# KiCad board e-tkt.kicad_pcb
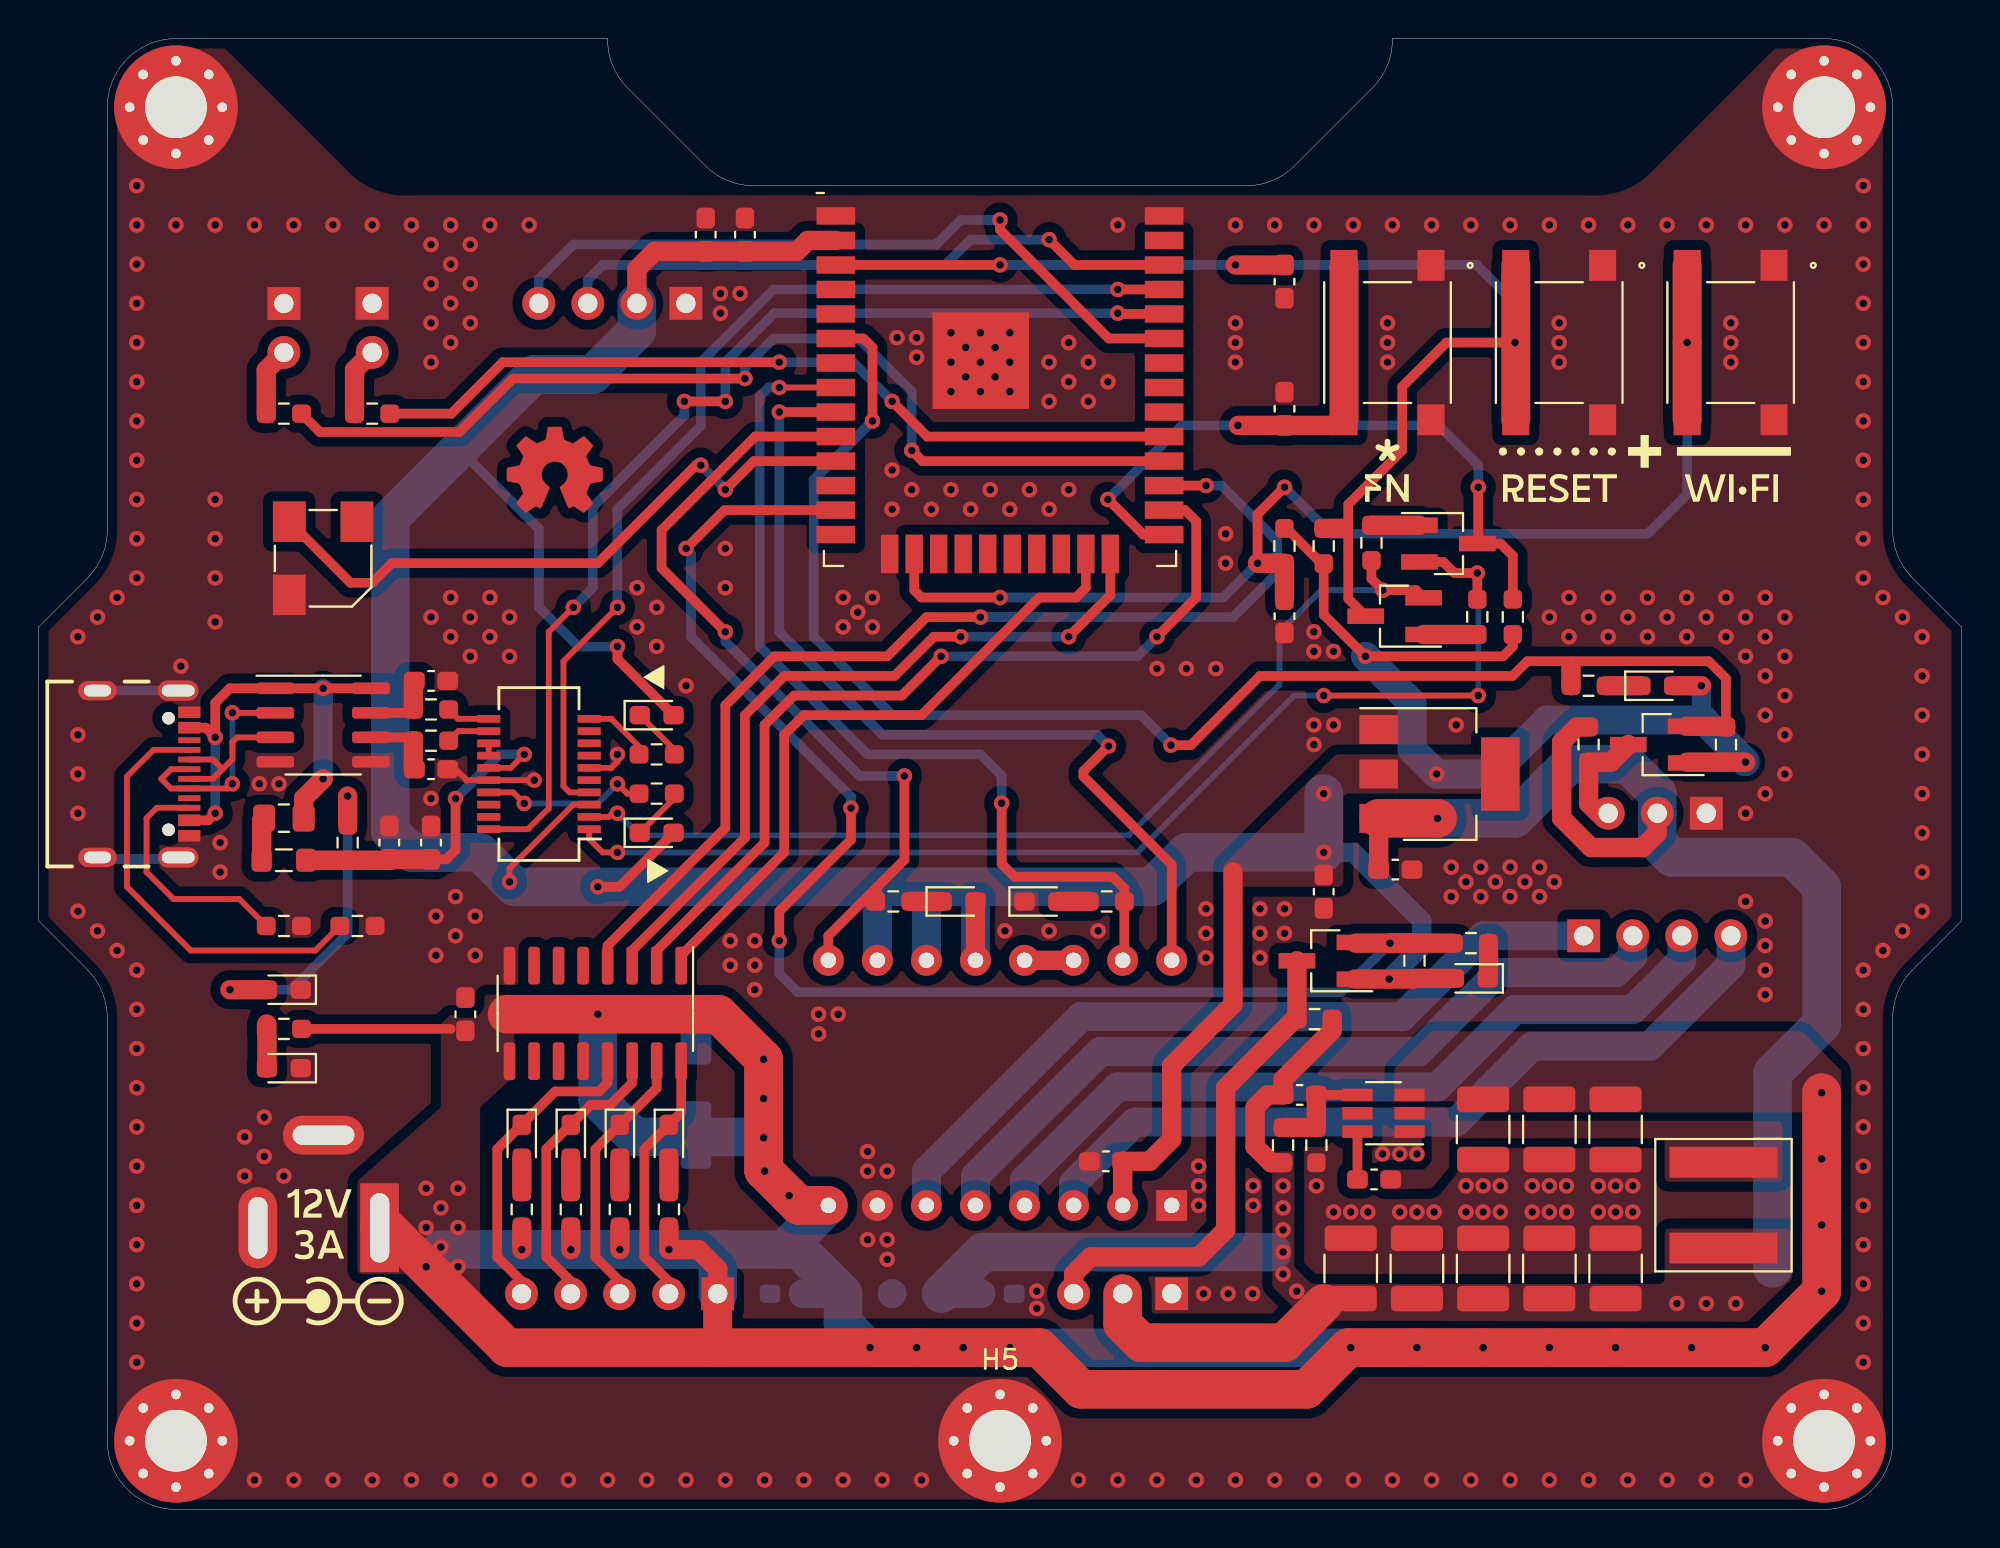
[diagram p0: board, top side]
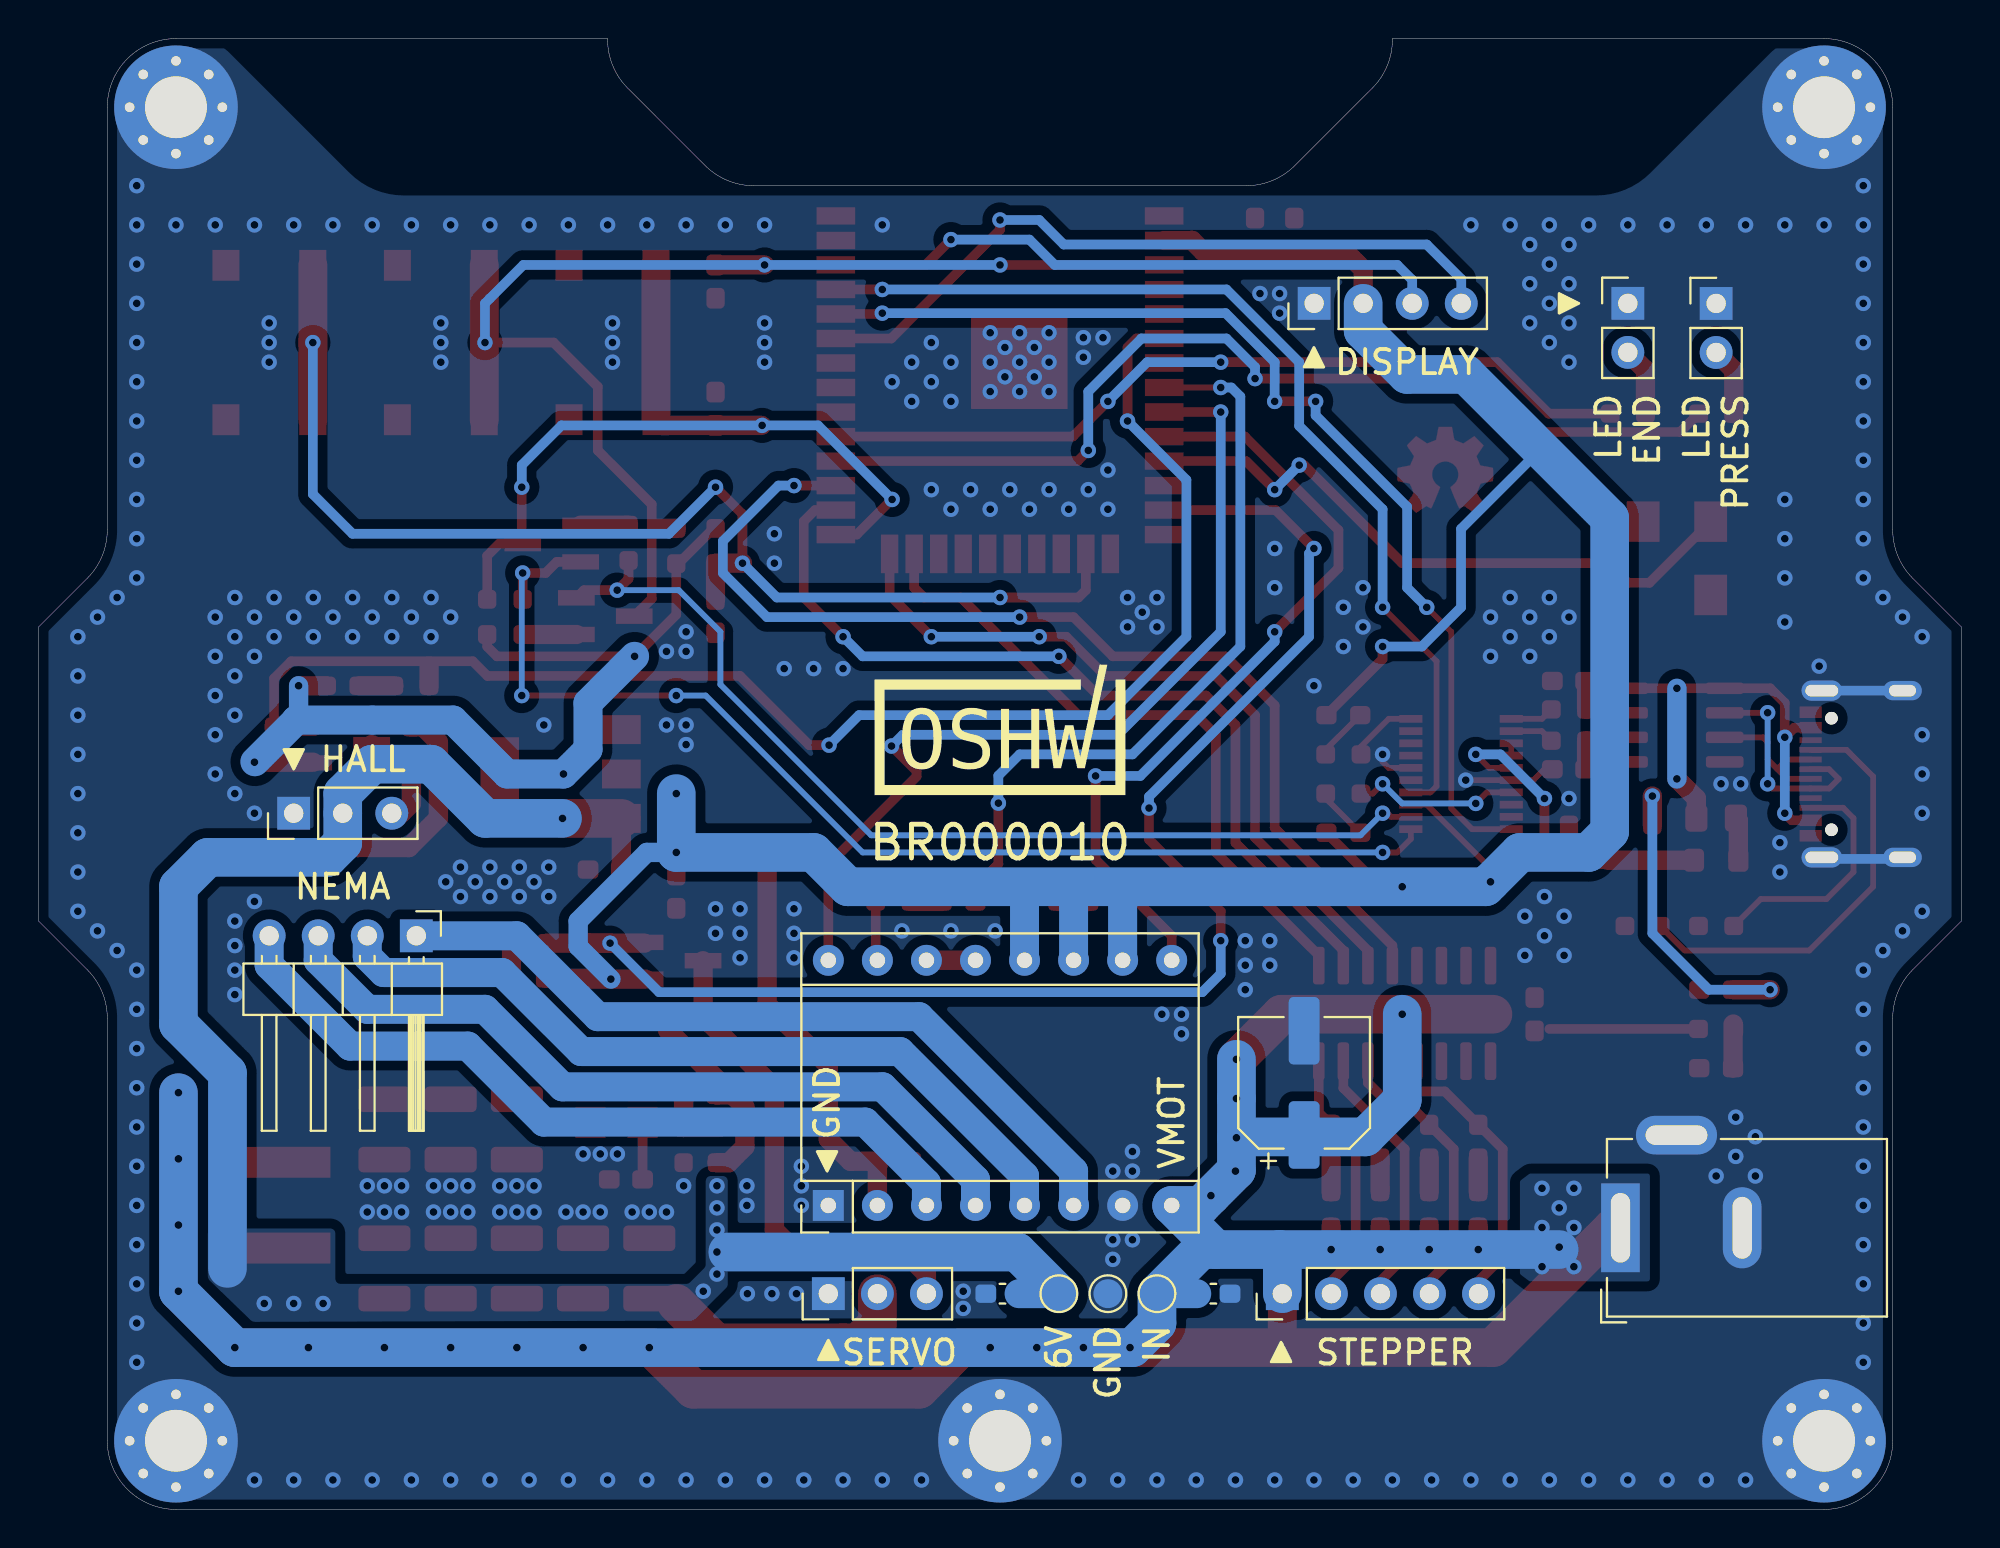
[diagram p1: board, bottom side, seen from below]

Outline 99.57 x 76.2 mm; copper layers: Top, In1.Cu (plane), In2.Cu (plane), Bottom. Coordinates in mm from the lower left corner of the outline.
Outline path: 0,45.72 2.51,48.23 2.6,48.32 2.68,48.41 2.76,48.5 2.83,48.6 2.9,48.7 2.97,48.8 3.04,48.9 3.1,49.01 3.16,49.11 3.21,49.22 3.26,49.33 3.31,49.44 3.35,49.56 3.39,49.67 3.42,49.79 3.45,49.91 3.48,50.03 3.5,50.15 3.52,50.27 3.54,50.39 3.55,50.51 3.55,50.63 3.56,50.75 3.56,72.64 3.56,72.77 3.56,72.89 3.57,73.01 3.59,73.13 3.61,73.25 3.63,73.37 3.66,73.49 3.69,73.6 3.72,73.72 3.76,73.83 3.8,73.95 3.85,74.06 3.9,74.17 3.95,74.28 4.01,74.39 4.07,74.49 4.14,74.59 4.21,74.69 4.28,74.79 4.35,74.89 4.43,74.98 4.51,75.07 4.6,75.16 4.68,75.24 4.77,75.32 4.87,75.4 4.96,75.48 5.06,75.55 5.16,75.62 5.26,75.68 5.37,75.74 5.48,75.8 5.58,75.86 5.7,75.91 5.81,75.95 5.92,75.99 6.04,76.03 6.15,76.07 6.27,76.1 6.39,76.13 6.51,76.15 6.63,76.17 6.75,76.18 6.87,76.19 6.99,76.2 7.11,76.2 29.46,76.2 29.46,76.15 29.47,76.03 29.47,75.91 29.48,75.79 29.5,75.67 29.52,75.55 29.54,75.43 29.57,75.31 29.6,75.19 29.63,75.07 29.67,74.96 29.71,74.84 29.76,74.73 29.81,74.62 29.86,74.51 29.92,74.41 29.98,74.3 30.05,74.2 30.12,74.1 30.19,74 30.26,73.9 30.34,73.81 30.42,73.72 30.51,73.63 34.52,69.62 34.6,69.54 34.69,69.46 34.79,69.38 34.88,69.3 34.98,69.23 35.08,69.16 35.18,69.1 35.29,69.04 35.4,68.98 35.51,68.93 35.62,68.87 35.73,68.83 35.84,68.79 35.96,68.75 36.07,68.71 36.19,68.68 36.31,68.65 36.43,68.63 36.55,68.61 36.67,68.6 36.79,68.59 36.91,68.58 37.03,68.58 62.53,68.58 62.65,68.58 62.78,68.59 62.9,68.6 63.02,68.61 63.14,68.63 63.26,68.65 63.38,68.68 63.49,68.71 63.61,68.75 63.73,68.79 63.84,68.83 63.95,68.87 64.06,68.93 64.17,68.98 64.28,69.04 64.38,69.1 64.49,69.16 64.59,69.23 64.68,69.3 64.78,69.38 64.87,69.46 64.96,69.54 65.05,69.62 69.06,73.63 69.15,73.72 69.23,73.81 69.31,73.9 69.38,74 69.45,74.1 69.52,74.2 69.59,74.3 69.65,74.41 69.7,74.51 69.76,74.62 69.81,74.73 69.86,74.84 69.9,74.96 69.94,75.07 69.97,75.19 70,75.31 70.03,75.43 70.05,75.55 70.07,75.67 70.09,75.79 70.1,75.91 70.1,76.03 70.1,76.15 70.1,76.2 92.46,76.2 92.58,76.2 92.7,76.19 92.82,76.18 92.94,76.17 93.06,76.15 93.18,76.13 93.3,76.1 93.42,76.07 93.53,76.03 93.65,75.99 93.76,75.95 93.87,75.91 93.98,75.86 94.09,75.8 94.2,75.74 94.3,75.68 94.41,75.62 94.51,75.55 94.6,75.48 94.7,75.4 94.79,75.32 94.88,75.24 94.97,75.16 95.05,75.07 95.14,74.98 95.21,74.89 95.29,74.79 95.36,74.69 95.43,74.59 95.49,74.49 95.56,74.39 95.61,74.28 95.67,74.17 95.72,74.06 95.76,73.95 95.81,73.83 95.85,73.72 95.88,73.6 95.91,73.49 95.94,73.37 95.96,73.25 95.98,73.13 95.99,73.01 96,72.89 96.01,72.77 96.01,72.64 96.01,50.75 96.01,50.63 96.02,50.51 96.03,50.39 96.05,50.27 96.06,50.15 96.09,50.03 96.11,49.91 96.14,49.79 96.18,49.67 96.22,49.56 96.26,49.44 96.31,49.33 96.36,49.22 96.41,49.11 96.47,49.01 96.53,48.9 96.6,48.8 96.66,48.7 96.74,48.6 96.81,48.5 96.89,48.41 96.97,48.32 97.05,48.23 99.57,45.72 99.57,30.48 97.05,27.97 96.97,27.88 96.89,27.79 96.81,27.7 96.74,27.6 96.66,27.5 96.6,27.4 96.53,27.3 96.47,27.19 96.41,27.09 96.36,26.98 96.31,26.87 96.26,26.76 96.22,26.64 96.18,26.53 96.14,26.41 96.11,26.29 96.09,26.17 96.06,26.05 96.05,25.93 96.03,25.81 96.02,25.69 96.01,25.57 96.01,25.45 96.01,3.56 96.01,3.43 96,3.31 95.99,3.19 95.98,3.07 95.96,2.95 95.94,2.83 95.91,2.71 95.88,2.6 95.85,2.48 95.81,2.37 95.76,2.25 95.72,2.14 95.67,2.03 95.61,1.92 95.56,1.81 95.49,1.71 95.43,1.61 95.36,1.51 95.29,1.41 95.21,1.31 95.14,1.22 95.05,1.13 94.97,1.04 94.88,0.96 94.79,0.88 94.7,0.8 94.6,0.72 94.51,0.65 94.41,0.58 94.3,0.52 94.2,0.46 94.09,0.4 93.98,0.34 93.87,0.29 93.76,0.25 93.65,0.21 93.53,0.17 93.42,0.13 93.3,0.1 93.18,0.07 93.06,0.05 92.94,0.03 92.82,0.02 92.7,0.01 92.58,0 92.46,0 7.11,0 6.99,0 6.87,0.01 6.75,0.02 6.63,0.03 6.51,0.05 6.39,0.07 6.27,0.1 6.15,0.13 6.04,0.17 5.92,0.21 5.81,0.25 5.7,0.29 5.58,0.34 5.48,0.4 5.37,0.46 5.26,0.52 5.16,0.58 5.06,0.65 4.96,0.72 4.87,0.8 4.77,0.88 4.68,0.96 4.6,1.04 4.51,1.13 4.43,1.22 4.35,1.31 4.28,1.41 4.21,1.51 4.14,1.61 4.07,1.71 4.01,1.81 3.95,1.92 3.9,2.03 3.85,2.14 3.8,2.25 3.76,2.37 3.72,2.48 3.69,2.6 3.66,2.71 3.63,2.83 3.61,2.95 3.59,3.07 3.57,3.19 3.56,3.31 3.56,3.43 3.56,3.56 3.56,25.45 3.55,25.57 3.55,25.69 3.54,25.81 3.52,25.93 3.5,26.05 3.48,26.17 3.45,26.29 3.42,26.41 3.39,26.53 3.35,26.64 3.31,26.76 3.26,26.87 3.21,26.98 3.16,27.09 3.1,27.19 3.04,27.3 2.97,27.4 2.9,27.5 2.83,27.6 2.76,27.7 2.68,27.79 2.6,27.88 2.51,27.97 0,30.48 0,45.72
Stack: Top 0.035mm / dielectric 0.48mm FR4 er 4.5 / In1.Cu 0.035mm / dielectric 0.48mm FR4 er 4.5 / In2.Cu 0.035mm / dielectric 0.48mm FR4 er 4.5 / Bottom 0.035mm

## Placement (name value [footprint] x y rotation side)
A_NEMA1  8+8 pin  [Pololu_Breakout-16_15.2x20.3mm]  58.67 15.75 90 bottom
C_ALT6V_1  0.33uF 50V  [C_0603_1608Metric_Pad1.08x0.95mm_HandSolder]  38.73 11.18 0 bottom
C_ALT6V_2  0.1uF 50V  [C_0603_1608Metric_Pad1.08x0.95mm_HandSolder]  49.66 11.18 0 bottom
C_DFU1  0.1uF 50V  [C_0603_1608Metric_Pad1.08x0.95mm_HandSolder]  64.52 57.02 270 top
C_ENA1  0.1uF 50V  [C_0603_1608Metric_Pad1.08x0.95mm_HandSolder]  64.52 63.61 90 top
C_MCU1  0.1uF 50V  [C_0603_1608Metric_Pad1.08x0.95mm_HandSolder]  36.58 66.04 90 top
C_MCU2  10uF 12V  [C_0603_1608Metric_Pad1.08x0.95mm_HandSolder]  34.54 66.04 270 top
C_NEMA1  100uF 25V  [CP_Elec_6.3x7.7]  34.04 22.1 90 bottom
C_NEMA2  10uF 12V  [C_0603_1608Metric_Pad1.08x0.95mm_HandSolder]  55.27 18.03 0 top
C_POW1  10uF 12V  [C_0603_1608Metric_Pad1.08x0.95mm_HandSolder]  70.25 33.15 0 top
C_POW2  10uF 12V  [C_0603_1608Metric_Pad1.08x0.95mm_HandSolder]  66.55 32 270 top
C_POW_6V_FF1  47pF 50V  [C_0603_1608Metric_Pad1.08x0.95mm_HandSolder]  65.3 21.47 0 top
C_POW_BST1  0.1uF 50V  [C_0603_1608Metric_Pad1.08x0.95mm_HandSolder]  69.16 17.1 0 top
C_POW_IN1  22uF 25V  [C_1210_3225Metric_Pad1.33x2.70mm_HandSolder]  81.66 19.69 270 top
C_POW_IN2  22uF 25V  [C_1210_3225Metric_Pad1.33x2.70mm_HandSolder]  78.23 19.69 270 top
C_POW_IN3  22uF 25V  [C_1210_3225Metric_Pad1.33x2.70mm_HandSolder]  74.8 19.69 270 top
C_POW_OUT1  22uF 25V  [C_1210_3225Metric_Pad1.33x2.70mm_HandSolder]  74.8 12.48 90 top
C_POW_OUT2  22uF 25V  [C_1210_3225Metric_Pad1.33x2.70mm_HandSolder]  71.37 12.48 90 top
C_POW_OUT3  22uF 25V  [C_1210_3225Metric_Pad1.33x2.70mm_HandSolder]  67.94 12.48 90 top
C_POW_OUT4  22uF 25V  [C_1210_3225Metric_Pad1.33x2.70mm_HandSolder]  81.66 12.48 90 top
C_POW_OUT5  22uF 25V  [C_1210_3225Metric_Pad1.33x2.70mm_HandSolder]  78.23 12.48 90 top
C_SER2  47pF 50V  [C_0603_1608Metric_Pad1.08x0.95mm_HandSolder]  20.32 38.35 180 top
C_SER3  47pF 50V  [C_0603_1608Metric_Pad1.08x0.95mm_HandSolder]  20.32 42.92 180 top
C_SER4  0.1uF 50V  [C_0603_1608Metric_Pad1.08x0.95mm_HandSolder]  20.32 34.54 90 top
C_SER5  10uF 12V  [C_0603_1608Metric_Pad1.08x0.95mm_HandSolder]  18.16 34.54 270 top
C_STP1  10uF 12V  [C_0603_1608Metric_Pad1.08x0.95mm_HandSolder]  22.1 25.65 270 top
C_WIFI1  0.1uF 50V  [C_0603_1608Metric_Pad1.08x0.95mm_HandSolder]  64.52 46.28 90 top
D_HALL1  LED white  [LED_0603_1608Metric_Pad1.05x0.95mm_HandSolder]  83.82 42.67 0 top
D_NEMA1  LED white  [LED_0603_1608Metric_Pad1.05x0.95mm_HandSolder]  47.64 31.5 0 top
D_NEMA2  LED white  [LED_0603_1608Metric_Pad1.05x0.95mm_HandSolder]  51.93 31.5 0 top
D_POW2  LED white  [LED_0603_1608Metric_Pad1.05x0.95mm_HandSolder]  12.7 22.86 180 top
D_RX1  LED white  [LED_0603_1608Metric_Pad1.05x0.95mm_HandSolder]  32 35.05 0 top
D_SERVO1  LED white  [LED_0603_1608Metric_Pad1.05x0.95mm_HandSolder]  74.17 27.51 180 top
D_STP1  LED white  [LED_0603_1608Metric_Pad1.05x0.95mm_HandSolder]  32.64 19.05 270 top
D_STP2  LED white  [LED_0603_1608Metric_Pad1.05x0.95mm_HandSolder]  30.1 19.05 270 top
D_STP3  LED white  [LED_0603_1608Metric_Pad1.05x0.95mm_HandSolder]  27.56 19.05 270 top
D_STP4  LED white  [LED_0603_1608Metric_Pad1.05x0.95mm_HandSolder]  25.02 19.05 270 top
D_TX1  LED white  [LED_0603_1608Metric_Pad1.05x0.95mm_HandSolder]  32 41.15 0 top
D_USB1  LED white  [LED_0603_1608Metric_Pad1.05x0.95mm_HandSolder]  12.7 26.92 180 top
F_USB1  6V 750mA  [Fuse_0805_2012Metric_Pad1.15x1.40mm_HandSolder]  12.7 35.81 180 top
FB_USB1  40 Ohms @ 100 MHz 1 Power  [L_0805_2012Metric_Pad1.05x1.20mm_HandSolder]  12.7 33.63 0 top
G***  -  [LOGO]  49.78 38.1 0 top
G***#2  -  [LOGO]  49.78 37.86 0 top
G***#3  -  [LOGO]  49.78 37.57 0 top
G***#4  -  [LOGO]  49.78 38.1 0 top
G***#5  -  [LOGO]  18.54 71.37 0 top
G***#6  -  [LOGO]  49.78 40.39 180 bottom
G***#7  -  [LOGO]  81.03 70.87 180 bottom
H1  M3  [MountingHole_3.2mm_M3_Pad_Via]  7.11 72.64 0 top
H2  M3  [MountingHole_3.2mm_M3_Pad_Via]  92.46 72.64 0 top
H3  M3  [MountingHole_3.2mm_M3_Pad_Via]  92.46 3.56 0 top
H4  M3  [MountingHole_3.2mm_M3_Pad_Via]  7.11 3.56 0 top
H5  M3  [MountingHole_3.2mm_M3_Pad_Via]  49.78 3.56 0 top
J_6v_ALT6V1  TestPoint  [TestPoint_Pad_D1.5mm]  46.74 11.18 180 bottom
J_12v_ALT6V1  TestPoint  [TestPoint_Pad_D1.5mm]  41.66 11.18 180 bottom
J_28byj-48-12v_1  Conn_01x05_Male  [PinHeader_1x05_P2.54mm_Vertical]  35.16 11.18 90 bottom
J_GND_ALT6V1  TestPoint  [TestPoint_Pad_D1.5mm]  44.2 11.18 180 bottom
J_HALL1  Conn_01x03_Female  [PinHeader_1x03_P2.54mm_Vertical]  86.36 36.07 90 bottom
J_LEDE1  Conn_01x02_Male  [PinHeader_1x02_P2.54mm_Vertical]  17.27 62.48 180 bottom
J_LEDP1  Conn_01x02_Male  [PinHeader_1x02_P2.54mm_Vertical]  12.7 62.48 180 bottom
J_NEMA1  Conn_01x04_Male  [PinHeader_1x04_P2.54mm_Horizontal]  80.01 29.72 270 bottom
J_OLED1  Conn_01x04_Male  [PinHeader_1x04_P2.54mm_Vertical]  33.52 62.48 90 bottom
J_POW1  Barrel_Jack_Switch  [BarrelJack_GCT_DCJ200-10-A_Horizontal]  17.65 14.59 90 bottom
J_SERVO1  Conn_01x03_Male  [PinHeader_1x03_P2.54mm_Vertical]  58.67 11.18 90 bottom
J_USB1  USB4105-GF-A  [GCT_USB4105-GF-A]  3.05 38.1 270 top
L1  SRP6060FA-100M  [SRP6060FA-4R7M]  87.25 15.76 270 top
LS1  CSS-0575A-SMT  [CUI_CSS-0575A-SMT]  14.73 49.28 270 top
Q_AUTO1  SS8050  [SOT-23_Handsoldering]  70.22 46.28 180 top
Q_AUTO2  SS8050  [SOT-23_Handsoldering]  73 50.04 0 top
Q_HALL1  BSS138LT3G  [SOT-23_Handsoldering]  83.82 39.62 180 top
Q_SERVO1  BSS138LT3G  [SOT-23_Handsoldering]  66.66 28.42 180 top
R_AUTO1  10K  [R_0603_1608Metric_Pad0.98x0.95mm_HandSolder]  74.5 46.24 270 top
R_AUTO2  10K  [R_0603_1608Metric_Pad0.98x0.95mm_HandSolder]  69.02 50.08 90 top
R_DFU1  10K  [R_0603_1608Metric_Pad0.98x0.95mm_HandSolder]  76.34 46.24 90 top
R_ENA1  10K  [R_0603_1608Metric_Pad0.98x0.95mm_HandSolder]  66.55 49.91 270 top
R_HALL1  10K  [R_0603_1608Metric_Pad0.98x0.95mm_HandSolder]  80.26 39.62 90 top
R_HALL2  10K  [R_0603_1608Metric_Pad0.98x0.95mm_HandSolder]  87.38 39.62 270 top
R_HALL3  100R  [R_0603_1608Metric_Pad0.98x0.95mm_HandSolder]  80.26 42.67 0 top
R_LEDE1  27R  [R_0603_1608Metric_Pad0.98x0.95mm_HandSolder]  17.27 56.77 180 top
R_LEDP1  27R  [R_0603_1608Metric_Pad0.98x0.95mm_HandSolder]  12.7 56.77 180 top
R_NEMA1  100R  [R_0603_1608Metric_Pad0.98x0.95mm_HandSolder]  44.26 31.5 0 top
R_NEMA2  100R  [R_0603_1608Metric_Pad0.98x0.95mm_HandSolder]  55.31 31.5 0 top
R_POW6  5K1  [R_0603_1608Metric_Pad0.98x0.95mm_HandSolder]  12.7 24.89 180 top
R_POW_FBT1  100K  [R_0603_1608Metric_Pad0.98x0.95mm_HandSolder]  64.44 18.87 270 top
R_POW_FFB1  11K  [R_0603_1608Metric_Pad0.98x0.95mm_HandSolder]  66.17 18.87 90 top
R_RX1  100R  [R_0603_1608Metric_Pad0.98x0.95mm_HandSolder]  32 37.08 180 top
R_SER1  27R  [R_0603_1608Metric_Pad0.98x0.95mm_HandSolder]  20.32 39.82 180 top
R_SER2  27R  [R_0603_1608Metric_Pad0.98x0.95mm_HandSolder]  20.32 41.44 180 top
R_SERVO1  10K  [R_0603_1608Metric_Pad0.98x0.95mm_HandSolder]  66.07 25.4 0 top
R_SERVO2  10K  [R_0603_1608Metric_Pad0.98x0.95mm_HandSolder]  71.25 28.42 270 top
R_SERVO3  100R  [R_0603_1608Metric_Pad0.98x0.95mm_HandSolder]  74.17 29.34 0 top
R_STP1  5K1  [R_0603_1608Metric_Pad0.98x0.95mm_HandSolder]  32.64 15.54 90 top
R_STP2  5K1  [R_0603_1608Metric_Pad0.98x0.95mm_HandSolder]  30.1 15.54 90 top
R_STP3  5K1  [R_0603_1608Metric_Pad0.98x0.95mm_HandSolder]  27.56 15.54 90 top
R_STP4  5K1  [R_0603_1608Metric_Pad0.98x0.95mm_HandSolder]  25.02 15.54 90 top
R_TX1  100R  [R_0603_1608Metric_Pad0.98x0.95mm_HandSolder]  32 39.12 180 top
R_USB1  5K1  [R_0603_1608Metric_Pad0.98x0.95mm_HandSolder]  16.51 30.23 180 top
R_USB2  5K1  [R_0603_1608Metric_Pad0.98x0.95mm_HandSolder]  12.7 30.23 180 top
R_USB3  2K  [R_0603_1608Metric_Pad0.98x0.95mm_HandSolder]  16 34.54 270 top
R_WIFI1  10K  [R_0603_1608Metric_Pad0.98x0.95mm_HandSolder]  64.52 49.91 90 top
REF**  OSHW-Symbol_6.7x6mm_SilkScreen  [opengear_small]  26.72 53.59 0 top
SW_DFU1  -  [B3FS-1000]  69.85 60.45 270 top
SW_ENA1  -  [B3FS-1000]  78.74 60.45 270 top
SW_WIFI1  -  [B3FS-1000]  87.62 60.45 270 top
U_MCU1  -  [ESP32-WROOM-32]  49.78 58.76 0 top
U_POW1  ~  [SOT-23-6_Handsoldering]  69.64 20.52 180 top
U_POW2  AZ1117CH-3.3TRG1  [SOT-223]  72.54 38.1 0 top
U_SER1  FT231XS-R  [SSOP-20_3.9x8.7mm_P0.635mm]  25.91 38.1 180 top
U_STP1  ULN2003  [SOIC-16_3.9x9.9mm_P1.27mm]  28.83 25.7 270 top
U_USB1  USB6B1  [SOIC-8_3.9x4.9mm_P1.27mm]  14.73 40.63 0 top

## Library data of the parts
A_NEMA1 = -: Description: Driver breakout; #: M20-7820842 (2 units); Group: NEMA; Mouser: OK
C_ALT6V_1 = -: Description: Boost; #: CGA3E3X7R1H334M080AB; Group: 6V power; Mouser: OK
C_ALT6V_2 C_POW_BST1 = -: Description: Boost; #: C1608X7R1H104K080AA; Group: 6V power; Mouser: OK
C_DFU1 = -: Description: Decouple; #: C1608X7R1H104K080AA; Group: Reset; Mouser: OK
C_ENA1 = -: Description: Debounce; #: C1608X7R1H104K080AA; Group: Enable; Mouser: OK
C_MCU1 = -: Description: Decouple; #: C1608X7R1H104K080AA; Group: MCU; Mouser: OK
C_MCU2 = -: Description: Decouple; #: GRM188Z71A106KA73D; Group: MCU; Mouser: OK; Obs: wes
C_NEMA1 = -: Description: Decouple; #: EMVE250ADA101MF80G; Group: NEMA; Mouser: OK
C_NEMA2 = -: Description: Decouple; #: GRM188Z71A106KA73D; Group: NEMA; Mouser: OK; Obs: wes
C_POW1 C_POW2 = -: Description: Decouple; #: GRM188Z71A106KA73D; Group: 3V3 power; Mouser: OK; Obs: wes
C_POW_6V_FF1 = -: Description: Feedback; #: CGA3E2C0G1H470J080AA; Group: 6V power; Mouser: OK; Obs: wes
C_POW_IN1-C_POW_IN3 C_POW_OUT1-C_POW_OUT5 = -: Description: Decouple; #: C3225X7R1E226M250AB; Group: 6V power; Mouser: OK; Obs: wes
C_SER2 C_SER3 = -: Description: Filter; #: CGA3E2C0G1H470J080AA; Group: Serial; Mouser: OK; Obs: wes
C_SER4 = -: Description: Decouple; #: C1608X7R1H104K080AA; Group: Serial; Mouser: OK
C_SER5 = -: Description: Decouple; #: GRM188Z71A106KA73D; Group: Serial; Mouser: OK; Obs: wes
C_STP1 = -: Description: Decouple; #: GRM188Z71A106KA73D; Group: 28BYJ-48 12V; Mouser: OK; Obs: wes
C_WIFI1 = -: Description: Debounce; #: C1608X7R1H104K080AA; Group: Wifi; Mouser: OK
D_HALL1 = -: Description: Signal LED; #: SMLD12WBN1W1; Group: Hall; Mouser: OK
D_NEMA1 D_NEMA2 = -: Description: Signal LED; #: SMLD12WBN1W1; Group: NEMA; Mouser: OK
D_POW2 = -: Description: LED on; #: SMLD12WBN1W1; Group: Master power; Mouser: OK
D_RX1 = -: Description: RX LED; #: SMLD12WBN1W1; Group: Serial; Mouser: OK
D_SERVO1 = -: Description: Signal LED; #: SMLD12WBN1W1; Group: Servo; Mouser: OK
D_STP1-D_STP4 = -: Description: LED output; #: SMLD12WBN1W1; Group: 28BYJ-48 12V; Mouser: OK
D_TX1 = -: Description: TX LED; #: SMLD12WBN1W1; Group: Serial; Mouser: OK
D_USB1 = -: Description: USB-C power LED; #: SMLD12WBN1W1; Group: USB-C; Mouser: OK
F_USB1 = -: Description: USB-C Polyfuse; #: 0ZCK0075FF2E; Group: USB-C; Mouser: OK
FB_USB1 = -: Description: Ferrite bead; #: MH2029-400Y; Group: USB-C; Mouser: OK
H1-H5 = -: Description: Mounting hole pad; #: xxx; Group: Pads; Mouser: OK
J_6v_ALT6V1 J_12v_ALT6V1 J_GND_ALT6V1 = -: Description: Testing point; #: xxx; Group: Pads; Mouser: OK
J_28byj-48-12v_1 = -: Description: Header; #: M20-9990546; Group: 28BYJ-48 12V; Mouser: OK
J_HALL1 = -: Description: Header; #: M20-7820346; Group: Hall; Mouser: OK
J_LEDE1 = -: Description: Header; #: M20-9990245; Group: LED end; Mouser: OK
J_LEDP1 = -: Description: Header; #: M20-9990245; Group: LED press; Mouser: OK
J_NEMA1 = -: Description: Header; #: M20-9750446; Group: NEMA; Mouser: OK
J_OLED1 = -: Description: Header; #: M20-9770446; Group: OLED display; Mouser: OK
J_POW1 = -: Description: DC jack; #: DCJ200-10-A-K1-K; Group: Master power; Mouser: OK
J_SERVO1 = -: Description: Header; #: M20-9990346; Group: Servo; Mouser: OK
J_USB1 = -: Description: USB-C port; Group: USB-C; Mouser: OK
L1 = -: Description: Inductor; Group: 6V power; Mouser: OK; Field7: *; Field8: Copyright 2021 Accelerated Designs. All rights reserved.; Field9: *
LS1 = -: Description: 5 mm, 3 V, 75 dB, Surface Mount _SMT_, Magnetic Audio Transducer Buzzer; Group: Buzzer; Mouser: OK; Field7: NC; Field8: +; Field9: -
Q_AUTO1 Q_AUTO2 = -: Description: TRANS NPN 25V 1.5A SOT23; #: MMSS8050-L-TP; Group: Autoboot; Mouser: OK
Q_HALL1 = -: Description: MOSFET N-CH SOT23; Group: Hall; Mouser: OK
Q_SERVO1 = -: Description: MOSFET N-CH SOT23; Group: Servo; Mouser: OK
R_AUTO1 R_AUTO2 = -: #: ERJ-3EKF1002V; Group: Autoboot; Mouser: OK; Obs: wes
R_DFU1 = -: Description: Pullup; #: ERJ-3EKF1002V; Group: Reset; Mouser: OK; Obs: wes
R_ENA1 = -: Description: Pullup; #: ERJ-3EKF1002V; Group: Enable; Mouser: OK; Obs: wes
R_HALL1 R_HALL2 = -: Description: Pullup; #: ERJ-3EKF1002V; Group: Hall; Mouser: OK; Obs: wes
R_HALL3 = -: Description: LED series resistor; #: ERJ-3EKF1000V; Group: Hall; Mouser: OK; Obs: wes
R_LEDE1 = -: Description: LED series resistor; #: ERJ-3EKF27R0V; Group: LED end; Mouser: OK; Obs: wes
R_LEDP1 = -: Description: LED series resistor; #: ERJ-3EKF27R0V; Group: LED press; Mouser: OK; Obs: wes
R_NEMA1 R_NEMA2 = -: Description: LED series resistor; #: ERJ-3EKF1000V; Group: NEMA; Mouser: OK; Obs: wes
R_POW6 = -: Description: LED series resistor; #: ERJ-3EKF5101V; Group: Master power; Mouser: OK; Obs: wes
R_POW_FBT1 = -: #: ERJ-3EKF1003V; Group: 6V power; Mouser: OK; Obs: wes
R_POW_FFB1 = -: Description: Feedback; #: ERJ-3EKF1102V; Group: 6V power; Mouser: OK; Obs: wes
R_RX1 = -: Description: RX LED series resistor; #: ERJ-3EKF1000V; Group: Serial; Mouser: OK; Obs: wes
R_SER1 R_SER2 = -: Description: Filter; #: ERJ-3EKF27R0V; Group: Serial; Mouser: OK; Obs: wes
R_SERVO1 R_SERVO2 = -: Description: Pullup; #: ERJ-3EKF1002V; Group: Servo; Mouser: OK; Obs: wes
R_SERVO3 = -: Description: LED series resistor; #: ERJ-3EKF1000V; Group: Servo; Mouser: OK; Obs: wes
R_STP1-R_STP4 = -: Description: LED resistor; #: ERJ-3EKF5101V; Group: 28BYJ-48 12V; Mouser: OK; Obs: wes
R_TX1 = -: Description: TX LED series resistor; #: ERJ-3EKF1000V; Group: Serial; Mouser: OK; Obs: wes
R_USB1 R_USB2 = -: Description: USB-C config resistor; #: ERJ-3EKF5101V; Group: USB-C; Mouser: OK; Obs: wes
R_USB3 = -: Description: USB-C power LED resistor; #: ERJ-3EKF2001V; Group: USB-C; Mouser: OK; Obs: wes
R_WIFI1 = -: Description: Pullup; #: ERJ-3EKF1002V; Group: Wifi; Mouser: OK; Obs: wes
SW_DFU1 = -: Description: Momentary switch; Group: Reset; Mouser: OK; Field7: *; Field8: Copyright 2021 Accelerated Designs. All rights reserved.; Field9: *
SW_ENA1 = -: Description: Momentary switch; Group: Enable; Mouser: OK; Field7: *; Field8: Copyright 2021 Accelerated Designs. All rights reserved.; Field9: *
SW_WIFI1 = -: Description: Momentary switch; Group: Wifi; Mouser: OK; Field7: *; Field8: Copyright 2021 Accelerated Designs. All rights reserved.; Field9: *
U_MCU1 = -: Description: ESP32; #: ESP32-WROOM-32D-N4; Group: MCU; Mouser: OK
U_POW1 = -: Description: IC; #: TPS54302; Group: 6V power; Mouser: N; Obs: wes / alternative TPS5430MDDAREP not dropin
U_POW2 = -: Description: REG LINEAR 3.3V 800MA SOT223; Group: 3V3 power; Mouser: OK
U_SER1 = -: Description: Serial communication IC; Group: Serial; Mouser: OK
U_STP1 = -: Description: Driver; #: ULN2003ADRE4; Group: 28BYJ-48 12V; Mouser: OK
U_USB1 = -: Description: USB-C TVS diode; #: USB6B1RL; Group: USB-C; Mouser: OK
